# KiCad board thisoneinitiald.kicad_pcb
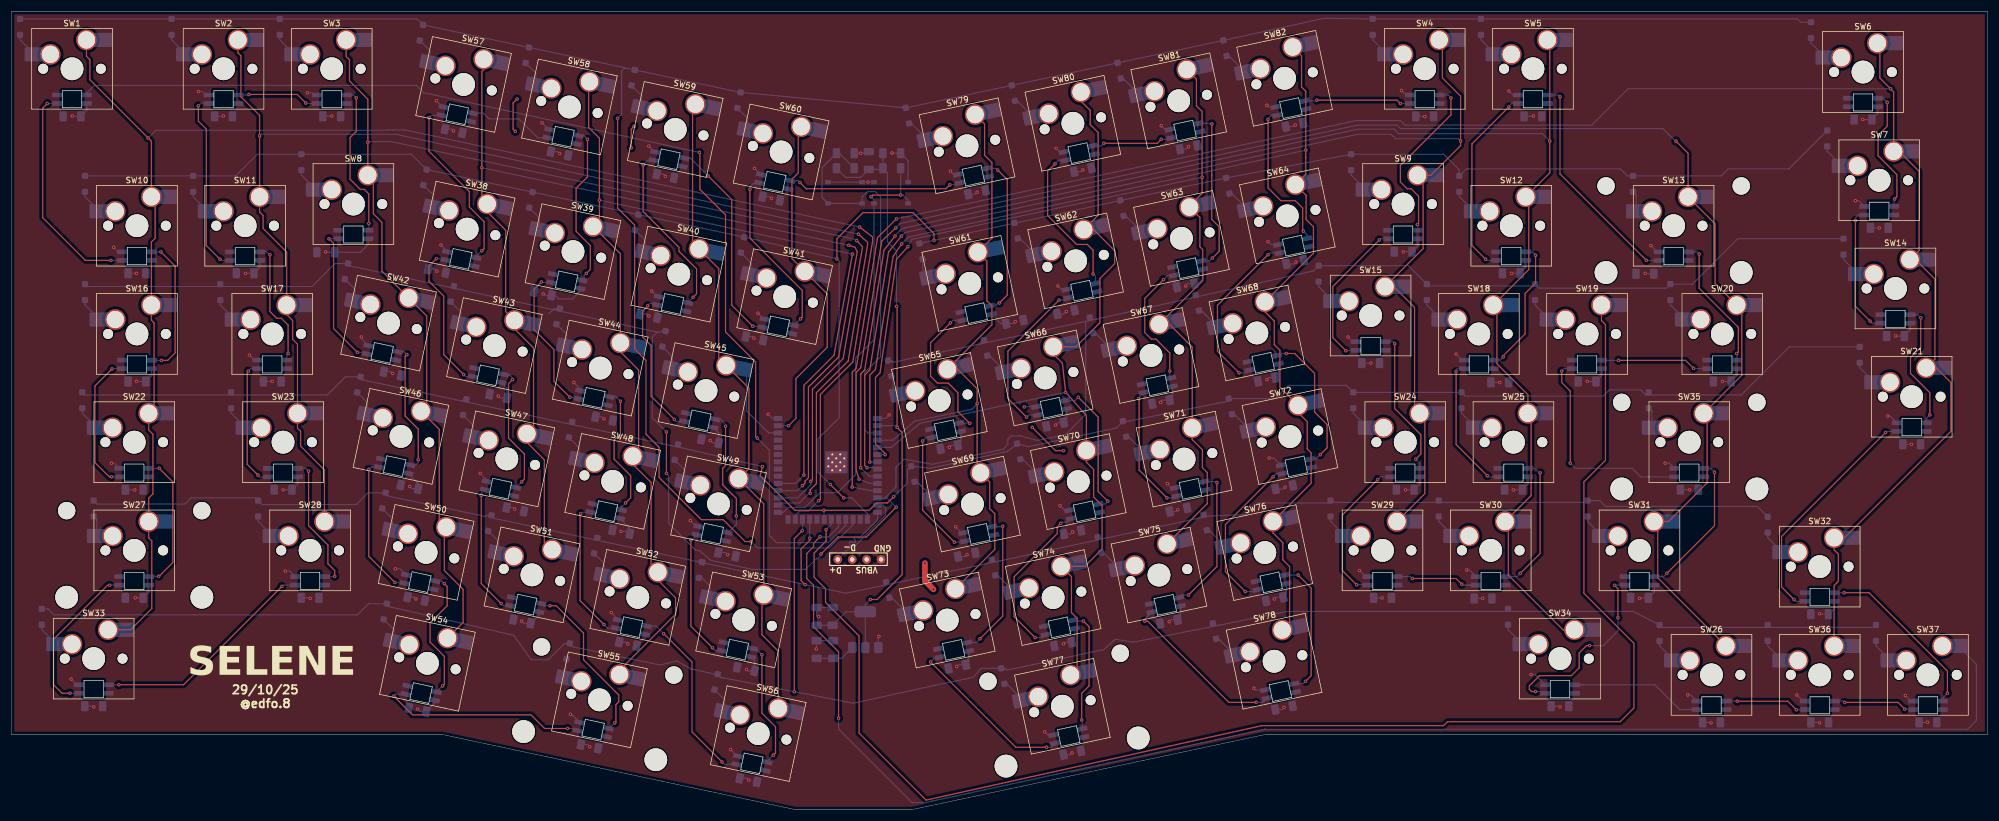
[diagram p0: board, top side]
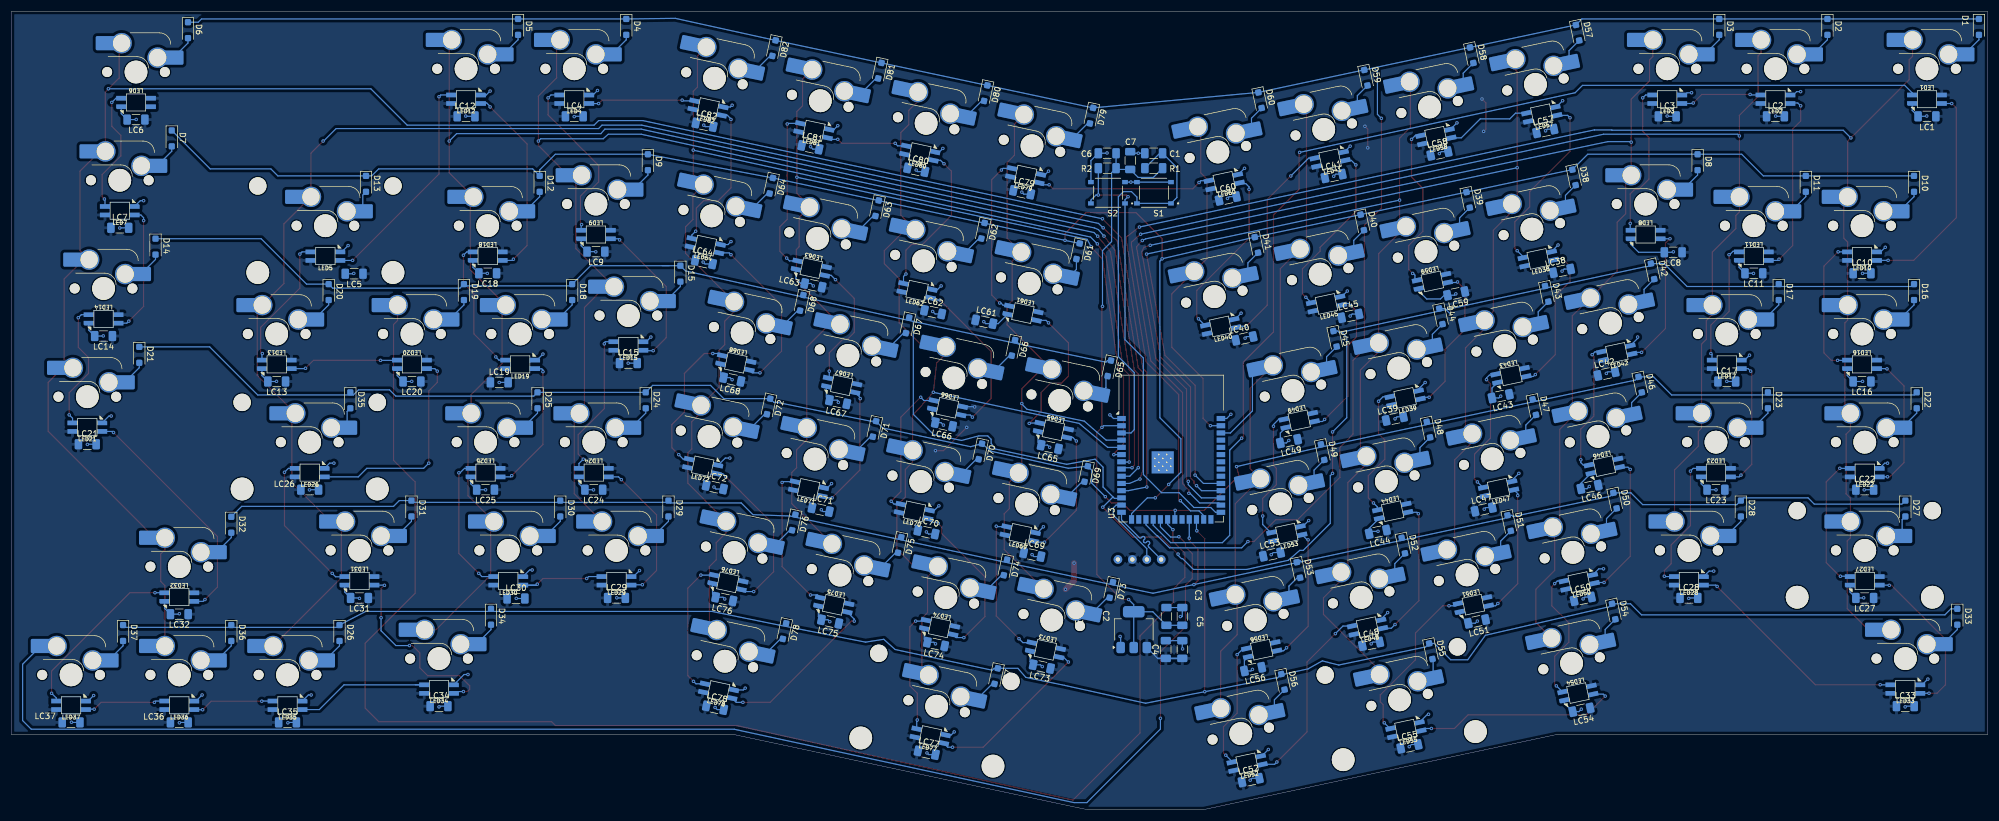
[diagram p1: board, bottom side, seen from below]

Outline 347.9 x 140.51 mm; copper layers: Top, Bottom. Coordinates in mm from the lower left corner of the outline.
Outline path: 0,13.21 0,140.51 347.9,140.51 347.9,13.21 220.66,13.21 158.5,0 138.03,0 75.88,13.21 0,13.21

## Placement (name value [footprint] x y rotation side)
C1  0.1uF  [C_1206_3216Metric_Pad1.33x1.80mm_HandSolder]  146.81 115.54 0 bottom
C2  0.1uF  [C_1206_3216Metric_Pad1.33x1.80mm_HandSolder]  144.57 34 90 bottom
C3  10uF  [C_1206_3216Metric_Pad1.33x1.80mm_HandSolder]  141.77 34 90 bottom
C4  0.1uF  [C_1206_3216Metric_Pad1.33x1.80mm_HandSolder]  144.67 28.19 90 bottom
C5  10uF  [C_1206_3216Metric_Pad1.33x1.80mm_HandSolder]  141.77 28.19 90 bottom
C6  0.1uF  [C_1206_3216Metric_Pad1.33x1.80mm_HandSolder]  154.99 115.54 0 bottom
C7  10uF  [C_1206_3216Metric_Pad1.33x1.80mm_HandSolder]  150.94 114.25 90 bottom
D1  D  [D_SOD-123F]  1.53 137.77 270 bottom
D2  D  [D_SOD-123F]  28.2 137.77 270 bottom
D3  D  [D_SOD-123F]  47.25 137.77 270 bottom
D4  D  [D_SOD-123F]  239.66 137.77 270 bottom
D5  D  [D_SOD-123F]  258.7 137.77 270 bottom
D6  D  [D_SOD-123F]  316.81 137.2 270 bottom
D7  D  [D_SOD-123F]  319.66 118.15 270 bottom
D8  D  [D_SOD-123F]  51.06 113.96 270 bottom
D9  D  [D_SOD-123F]  235.84 113.96 270 bottom
D10  D  [D_SOD-123F]  12.96 110.15 270 bottom
D11  D  [D_SOD-123F]  32.01 110.15 270 bottom
D12  D  [D_SOD-123F]  254.9 110.15 270 bottom
D13  D  [D_SOD-123F]  285.47 110.15 270 bottom
D14  D  [D_SOD-123F]  322.52 99.1 270 bottom
D15  D  [D_SOD-123F]  230.13 94.34 270 bottom
D16  D  [D_SOD-123F]  12.96 91.1 270 bottom
D17  D  [D_SOD-123F]  36.77 91.1 270 bottom
D18  D  [D_SOD-123F]  249.18 91.1 270 bottom
D19  D  [D_SOD-123F]  268.23 91.1 270 bottom
D20  D  [D_SOD-123F]  292.04 91.1 270 bottom
D21  D  [D_SOD-123F]  325.38 80.05 270 bottom
D22  D  [D_SOD-123F]  12.48 72.05 270 bottom
D23  D  [D_SOD-123F]  38.68 72.05 270 bottom
D24  D  [D_SOD-123F]  236.23 72.05 270 bottom
D25  D  [D_SOD-123F]  255.28 72.05 270 bottom
D26  D  [D_SOD-123F]  290.14 31.09 270 bottom
D27  D  [D_SOD-123F]  14.48 53 270 bottom
D28  D  [D_SOD-123F]  43.44 53 270 bottom
D29  D  [D_SOD-123F]  232.23 53 270 bottom
D30  D  [D_SOD-123F]  251.28 53 270 bottom
D31  D  [D_SOD-123F]  277.47 53 270 bottom
D32  D  [D_SOD-123F]  309.19 50.14 270 bottom
D33  D  [D_SOD-123F]  5.34 33.95 270 bottom
D34  D  [D_SOD-123F]  263.47 33.95 270 bottom
D35  D  [D_SOD-123F]  288.23 72.05 270 bottom
D36  D  [D_SOD-123F]  309.19 31.09 270 bottom
D37  D  [D_SOD-123F]  328.24 31.09 270 bottom
D38  D  [D_SOD-123F]  72.82 111.28 258 bottom
D39  D  [D_SOD-123F]  91.45 107.32 258 bottom
D40  D  [D_SOD-123F]  110.08 103.36 258 bottom
D41  D  [D_SOD-123F]  128.72 99.4 258 bottom
D42  D  [D_SOD-123F]  58.98 94.75 258 bottom
D43  D  [D_SOD-123F]  77.61 90.79 258 bottom
D44  D  [D_SOD-123F]  96.25 86.83 258 bottom
D45  D  [D_SOD-123F]  114.88 82.87 258 bottom
D46  D  [D_SOD-123F]  61.17 74.81 258 bottom
D47  D  [D_SOD-123F]  79.8 70.85 258 bottom
D48  D  [D_SOD-123F]  98.43 66.89 258 bottom
D49  D  [D_SOD-123F]  117.07 62.93 258 bottom
D50  D  [D_SOD-123F]  65.59 54.39 258 bottom
D51  D  [D_SOD-123F]  84.23 50.43 258 bottom
D52  D  [D_SOD-123F]  102.86 46.47 258 bottom
D53  D  [D_SOD-123F]  121.32 42.18 258 bottom
D54  D  [D_SOD-123F]  65.82 34.87 258 bottom
D55  D  [D_SOD-123F]  98.02 27.88 258 bottom
D56  D  [D_SOD-123F]  124.05 22.49 258 bottom
D57  D  [D_SOD-123F]  72.19 136.75 258 bottom
D58  D  [D_SOD-123F]  90.82 132.79 258 bottom
D59  D  [D_SOD-123F]  109.45 128.83 258 bottom
D60  D  [D_SOD-123F]  128.09 124.87 258 bottom
D61  D  [D_SOD-123F]  160.12 98.28 282 bottom
D62  D  [D_SOD-123F]  176.86 101.9 282 bottom
D63  D  [D_SOD-123F]  195.5 105.86 282 bottom
D64  D  [D_SOD-123F]  214.13 109.82 282 bottom
D65  D  [D_SOD-123F]  154.62 77.68 282 bottom
D66  D  [D_SOD-123F]  171.51 81.29 282 bottom
D67  D  [D_SOD-123F]  190.14 85.25 282 bottom
D68  D  [D_SOD-123F]  208.78 89.21 282 bottom
D69  D  [D_SOD-123F]  158.7 59.09 282 bottom
D70  D  [D_SOD-123F]  177.33 63.05 282 bottom
D71  D  [D_SOD-123F]  195.97 67.01 282 bottom
D72  D  [D_SOD-123F]  214.6 70.97 282 bottom
D73  D  [D_SOD-123F]  154.27 38.67 282 bottom
D74  D  [D_SOD-123F]  172.91 42.63 282 bottom
D75  D  [D_SOD-123F]  191.54 46.59 282 bottom
D76  D  [D_SOD-123F]  210.18 50.55 282 bottom
D77  D  [D_SOD-123F]  174.54 23.5 282 bottom
D78  D  [D_SOD-123F]  211.81 31.42 282 bottom
D79  D  [D_SOD-123F]  157.75 122.15 282 bottom
D80  D  [D_SOD-123F]  176.38 126.11 282 bottom
D81  D  [D_SOD-123F]  195.02 130.07 282 bottom
D82  D  [D_SOD-123F]  213.65 134.03 282 bottom
LC1  0.1uF  [C_1206_3216Metric_Pad1.33x1.80mm_HandSolder]  10.68 122.03 0 bottom
LC2  0.1uF  [C_1206_3216Metric_Pad1.33x1.80mm_HandSolder]  37.35 122.03 180 bottom
LC3  0.1uF  [C_1206_3216Metric_Pad1.33x1.80mm_HandSolder]  56.4 122.03 180 bottom
LC4  0.1uF  [C_1206_3216Metric_Pad1.33x1.80mm_HandSolder]  248.81 122.03 180 bottom
LC5  0.1uF  [C_1206_3216Metric_Pad1.33x1.80mm_HandSolder]  287.56 94.32 0 bottom
LC6  0.1uF  [C_1206_3216Metric_Pad1.33x1.80mm_HandSolder]  325.96 121.46 0 bottom
LC7  0.1uF  [C_1206_3216Metric_Pad1.33x1.80mm_HandSolder]  328.81 102.41 180 bottom
LC8  0.1uF  [C_1206_3216Metric_Pad1.33x1.80mm_HandSolder]  55.35 98.1 0 bottom
LC9  0.1uF  [C_1206_3216Metric_Pad1.33x1.80mm_HandSolder]  245 98.22 0 bottom
LC10  0.1uF  [C_1206_3216Metric_Pad1.33x1.80mm_HandSolder]  22.11 94.41 180 bottom
LC11  0.1uF  [C_1206_3216Metric_Pad1.33x1.80mm_HandSolder]  41.16 94.41 0 bottom
LC12  0.1uF  [C_1206_3216Metric_Pad1.33x1.80mm_HandSolder]  267.85 122.03 180 bottom
LC13  0.1uF  [C_1206_3216Metric_Pad1.33x1.80mm_HandSolder]  301.19 75.36 0 bottom
LC14  0.1uF  [C_1206_3216Metric_Pad1.33x1.80mm_HandSolder]  331.67 83.36 0 bottom
LC15  0.1uF  [C_1206_3216Metric_Pad1.33x1.80mm_HandSolder]  239.28 78.6 180 bottom
LC16  0.1uF  [C_1206_3216Metric_Pad1.33x1.80mm_HandSolder]  22.11 75.36 0 bottom
LC17  0.1uF  [C_1206_3216Metric_Pad1.33x1.80mm_HandSolder]  45.92 75.36 180 bottom
LC18  0.1uF  [C_1206_3216Metric_Pad1.33x1.80mm_HandSolder]  264.04 94.41 0 bottom
LC19  0.1uF  [C_1206_3216Metric_Pad1.33x1.80mm_HandSolder]  262.01 75.2 180 bottom
LC20  0.1uF  [C_1206_3216Metric_Pad1.33x1.80mm_HandSolder]  277.38 75.36 0 bottom
LC21  0.1uF  [C_1206_3216Metric_Pad1.33x1.80mm_HandSolder]  334.53 64.31 180 bottom
LC22  0.1uF  [C_1206_3216Metric_Pad1.33x1.80mm_HandSolder]  21.63 56.31 180 bottom
LC23  0.1uF  [C_1206_3216Metric_Pad1.33x1.80mm_HandSolder]  47.83 56.31 0 bottom
LC24  0.1uF  [C_1206_3216Metric_Pad1.33x1.80mm_HandSolder]  245.38 56.31 0 bottom
LC25  0.1uF  [C_1206_3216Metric_Pad1.33x1.80mm_HandSolder]  264.43 56.31 0 bottom
LC26  0.1uF  [C_1206_3216Metric_Pad1.33x1.80mm_HandSolder]  295.38 56.31 180 bottom
LC27  0.1uF  [C_1206_3216Metric_Pad1.33x1.80mm_HandSolder]  21.63 37.26 0 bottom
LC28  0.1uF  [C_1206_3216Metric_Pad1.33x1.80mm_HandSolder]  52.59 37.26 180 bottom
LC29  0.1uF  [C_1206_3216Metric_Pad1.33x1.80mm_HandSolder]  241.38 37.26 180 bottom
LC30  0.1uF  [C_1206_3216Metric_Pad1.33x1.80mm_HandSolder]  259.07 37.16 180 bottom
LC31  0.1uF  [C_1206_3216Metric_Pad1.33x1.80mm_HandSolder]  286.62 37.26 0 bottom
LC32  0.1uF  [C_1206_3216Metric_Pad1.33x1.80mm_HandSolder]  318.34 34.4 0 bottom
LC33  0.1uF  [C_1206_3216Metric_Pad1.33x1.80mm_HandSolder]  14.49 18.21 180 bottom
LC34  0.1uF  [C_1206_3216Metric_Pad1.33x1.80mm_HandSolder]  272.62 18.21 180 bottom
LC35  0.1uF  [C_1206_3216Metric_Pad1.33x1.80mm_HandSolder]  299.29 15.35 180 bottom
LC36  0.1uF  [C_1206_3216Metric_Pad1.33x1.80mm_HandSolder]  318.34 15.35 180 bottom
LC37  0.1uF  [C_1206_3216Metric_Pad1.33x1.80mm_HandSolder]  337.39 15.35 180 bottom
LC38  0.1uF  [C_1206_3216Metric_Pad1.33x1.80mm_HandSolder]  74.92 94.83 168 bottom
LC39  0.1uF  [C_1206_3216Metric_Pad1.33x1.80mm_HandSolder]  104.36 68.83 168 bottom
LC40  0.1uF  [C_1206_3216Metric_Pad1.33x1.80mm_HandSolder]  130.83 82.95 168 bottom
LC41  0.1uF  [C_1206_3216Metric_Pad1.33x1.80mm_HandSolder]  115.13 111.54 168 bottom
LC42  0.1uF  [C_1206_3216Metric_Pad1.33x1.80mm_HandSolder]  67.09 76.75 168 bottom
LC43  0.1uF  [C_1206_3216Metric_Pad1.33x1.80mm_HandSolder]  85.72 72.79 348 bottom
LC44  0.1uF  [C_1206_3216Metric_Pad1.33x1.80mm_HandSolder]  107.35 48.89 348 bottom
LC45  0.1uF  [C_1206_3216Metric_Pad1.33x1.80mm_HandSolder]  112.19 86.91 168 bottom
LC46  0.1uF  [C_1206_3216Metric_Pad1.33x1.80mm_HandSolder]  70.08 56.81 348 bottom
LC47  0.1uF  [C_1206_3216Metric_Pad1.33x1.80mm_HandSolder]  88.71 52.85 168 bottom
LC48  0.1uF  [C_1206_3216Metric_Pad1.33x1.80mm_HandSolder]  108.54 29.18 168 bottom
LC49  0.1uF  [C_1206_3216Metric_Pad1.33x1.80mm_HandSolder]  122.99 64.86 348 bottom
LC50  0.1uF  [C_1206_3216Metric_Pad1.33x1.80mm_HandSolder]  71.27 37.1 168 bottom
LC51  0.1uF  [C_1206_3216Metric_Pad1.33x1.80mm_HandSolder]  89.9 33.14 348 bottom
LC52  0.1uF  [C_1206_3216Metric_Pad1.33x1.80mm_HandSolder]  129.73 5.2 168 bottom
LC53  0.1uF  [C_1206_3216Metric_Pad1.33x1.80mm_HandSolder]  125.98 44.93 168 bottom
LC54  0.1uF  [C_1206_3216Metric_Pad1.33x1.80mm_HandSolder]  71.5 17.57 348 bottom
LC55  0.1uF  [C_1206_3216Metric_Pad1.33x1.80mm_HandSolder]  101.78 11.14 168 bottom
LC56  0.1uF  [C_1206_3216Metric_Pad1.33x1.80mm_HandSolder]  129.31 24.73 348 bottom
LC57  0.1uF  [C_1206_3216Metric_Pad1.33x1.80mm_HandSolder]  77.86 119.46 168 bottom
LC58  0.1uF  [C_1206_3216Metric_Pad1.33x1.80mm_HandSolder]  96.5 115.5 168 bottom
LC59  0.1uF  [C_1206_3216Metric_Pad1.33x1.80mm_HandSolder]  93.56 90.87 348 bottom
LC60  0.1uF  [C_1206_3216Metric_Pad1.33x1.80mm_HandSolder]  133.76 107.57 168 bottom
LC61  0.1uF  [C_1206_3216Metric_Pad1.33x1.80mm_HandSolder]  176.63 85.86 192 bottom
LC62  0.1uF  [C_1206_3216Metric_Pad1.33x1.80mm_HandSolder]  185.64 87.57 192 bottom
LC63  0.1uF  [C_1206_3216Metric_Pad1.33x1.80mm_HandSolder]  206.71 92.29 12 bottom
LC64  0.1uF  [C_1206_3216Metric_Pad1.33x1.80mm_HandSolder]  225.98 96.37 192 bottom
LC65  0.1uF  [C_1206_3216Metric_Pad1.33x1.80mm_HandSolder]  165.1 63.83 12 bottom
LC66  0.1uF  [C_1206_3216Metric_Pad1.33x1.80mm_HandSolder]  183.73 67.79 12 bottom
LC67  0.1uF  [C_1206_3216Metric_Pad1.33x1.80mm_HandSolder]  202.36 71.75 12 bottom
LC68  0.1uF  [C_1206_3216Metric_Pad1.33x1.80mm_HandSolder]  221 75.72 12 bottom
LC69  0.1uF  [C_1206_3216Metric_Pad1.33x1.80mm_HandSolder]  168.17 44.87 192 bottom
LC70  0.1uF  [C_1206_3216Metric_Pad1.33x1.80mm_HandSolder]  186.8 48.83 192 bottom
LC71  0.1uF  [C_1206_3216Metric_Pad1.33x1.80mm_HandSolder]  205.44 52.79 192 bottom
LC72  0.1uF  [C_1206_3216Metric_Pad1.33x1.80mm_HandSolder]  224.07 56.75 192 bottom
LC73  0.1uF  [C_1206_3216Metric_Pad1.33x1.80mm_HandSolder]  166.5 25.18 12 bottom
LC74  0.1uF  [C_1206_3216Metric_Pad1.33x1.80mm_HandSolder]  185.13 29.14 12 bottom
LC75  0.1uF  [C_1206_3216Metric_Pad1.33x1.80mm_HandSolder]  203.76 33.1 12 bottom
LC76  0.1uF  [C_1206_3216Metric_Pad1.33x1.80mm_HandSolder]  222.4 37.06 12 bottom
LC77  0.1uF  [C_1206_3216Metric_Pad1.33x1.80mm_HandSolder]  186.76 10.01 192 bottom
LC78  0.1uF  [C_1206_3216Metric_Pad1.33x1.80mm_HandSolder]  224.03 17.93 192 bottom
LC79  0.1uF  [C_1206_3216Metric_Pad1.33x1.80mm_HandSolder]  169.97 108.66 192 bottom
LC80  0.1uF  [C_1206_3216Metric_Pad1.33x1.80mm_HandSolder]  188.61 112.62 192 bottom
LC81  0.1uF  [C_1206_3216Metric_Pad1.33x1.80mm_HandSolder]  207.24 116.58 192 bottom
LC82  0.1uF  [C_1206_3216Metric_Pad1.33x1.80mm_HandSolder]  225.87 120.54 192 bottom
LED1  SK6812MINI  [SK6812MINI-E]  10.68 125.04 0 bottom
LED2  SK6812MINI  [SK6812MINI-E]  37.35 125.04 180 bottom
LED3  SK6812MINI  [SK6812MINI-E]  56.4 125.04 180 bottom
LED4  SK6812MINI  [SK6812MINI-E]  248.81 125.04 180 bottom
LED5  SK6812MINI  [SK6812MINI-E]  292.62 97.42 180 bottom
LED6  SK6812MINI  [SK6812MINI-E]  325.96 124.47 0 bottom
LED7  SK6812MINI  [SK6812MINI-E]  328.81 105.42 180 bottom
LED8  SK6812MINI  [SK6812MINI-E]  60.21 101.23 0 bottom
LED9  SK6812MINI  [SK6812MINI-E]  245 101.23 0 bottom
LED10  SK6812MINI  [SK6812MINI-E]  22.11 97.42 180 bottom
LED11  SK6812MINI  [SK6812MINI-E]  41.16 97.42 0 bottom
LED12  SK6812MINI  [SK6812MINI-E]  267.85 125.04 180 bottom
LED13  SK6812MINI  [SK6812MINI-E]  301.19 78.37 0 bottom
LED14  SK6812MINI  [SK6812MINI-E]  331.67 86.37 0 bottom
LED15  SK6812MINI  [SK6812MINI-E]  239.28 81.61 180 bottom
LED16  SK6812MINI  [SK6812MINI-E]  22.11 78.37 0 bottom
LED17  SK6812MINI  [SK6812MINI-E]  45.92 78.37 180 bottom
LED18  SK6812MINI  [SK6812MINI-E]  264.04 97.42 0 bottom
LED19  SK6812MINI  [SK6812MINI-E]  258.33 78.37 180 bottom
LED20  SK6812MINI  [SK6812MINI-E]  277.38 78.37 0 bottom
LED21  SK6812MINI  [SK6812MINI-E]  334.53 67.32 180 bottom
LED22  SK6812MINI  [SK6812MINI-E]  21.63 59.32 180 bottom
LED23  SK6812MINI  [SK6812MINI-E]  47.83 59.32 0 bottom
LED24  SK6812MINI  [SK6812MINI-E]  245.38 59.32 0 bottom
LED25  SK6812MINI  [SK6812MINI-E]  264.43 59.32 0 bottom
LED26  SK6812MINI  [SK6812MINI-E]  295.38 59.32 180 bottom
LED27  SK6812MINI  [SK6812MINI-E]  21.63 40.27 0 bottom
LED28  SK6812MINI  [SK6812MINI-E]  52.59 40.27 180 bottom
LED29  SK6812MINI  [SK6812MINI-E]  241.38 40.27 180 bottom
LED30  SK6812MINI  [SK6812MINI-E]  260.43 40.27 180 bottom
LED31  SK6812MINI  [SK6812MINI-E]  286.62 40.27 0 bottom
LED32  SK6812MINI  [SK6812MINI-E]  318.34 37.41 0 bottom
LED33  SK6812MINI  [SK6812MINI-E]  14.49 21.22 180 bottom
LED34  SK6812MINI  [SK6812MINI-E]  272.62 21.22 180 bottom
LED35  SK6812MINI  [SK6812MINI-E]  299.29 18.36 180 bottom
LED36  SK6812MINI  [SK6812MINI-E]  318.34 18.36 180 bottom
LED37  SK6812MINI  [SK6812MINI-E]  337.39 18.36 180 bottom
LED38  SK6812MINI  [SK6812MINI-E]  79.12 96.93 168 bottom
LED39  SK6812MINI  [SK6812MINI-E]  102.55 72.48 168 bottom
LED40  SK6812MINI  [SK6812MINI-E]  135.02 85.05 168 bottom
LED41  SK6812MINI  [SK6812MINI-E]  115.76 114.48 168 bottom
LED42  SK6812MINI  [SK6812MINI-E]  65.28 80.39 168 bottom
LED43  SK6812MINI  [SK6812MINI-E]  83.92 76.44 348 bottom
LED44  SK6812MINI  [SK6812MINI-E]  104.74 52.53 348 bottom
LED45  45  [SK6812MINI-E]  116.39 89.01 168 bottom
LED46  SK6812MINI  [SK6812MINI-E]  67.47 60.46 348 bottom
LED47  SK6812MINI  [SK6812MINI-E]  86.1 56.49 168 bottom
LED48  SK6812MINI  [SK6812MINI-E]  109.16 32.12 168 bottom
LED49  SK6812MINI  [SK6812MINI-E]  121.18 68.52 348 bottom
LED50  SK6812MINI  [SK6812MINI-E]  71.9 40.04 168 bottom
LED51  SK6812MINI  [SK6812MINI-E]  90.53 36.08 348 bottom
LED52  SK6812MINI  [SK6812MINI-E]  130.36 8.14 168 bottom
LED53  SK6812MINI  [SK6812MINI-E]  123.37 48.57 168 bottom
LED54  SK6812MINI  [SK6812MINI-E]  72.13 20.52 348 bottom
LED55  SK6812MINI  [SK6812MINI-E]  102.41 14.08 168 bottom
LED56  SK6812MINI  [SK6812MINI-E]  127.8 28.16 348 bottom
LED57  SK6812MINI  [SK6812MINI-E]  78.49 122.4 168 bottom
LED58  SK6812MINI  [SK6812MINI-E]  97.12 118.44 168 bottom
LED59  SK6812MINI  [SK6812MINI-E]  97.75 92.97 348 bottom
LED60  SK6812MINI  [SK6812MINI-E]  134.39 110.51 168 bottom
LED61  SK6812MINI  [SK6812MINI-E]  169.83 87.39 12 bottom
LED62  SK6812MINI  [SK6812MINI-E]  188.46 91.35 192 bottom
LED63  SK6812MINI  [SK6812MINI-E]  207.09 95.31 12 bottom
LED64  SK6812MINI  [SK6812MINI-E]  225.73 99.27 192 bottom
LED65  SK6812MINI  [SK6812MINI-E]  164.47 66.78 12 bottom
LED66  SK6812MINI  [SK6812MINI-E]  183.1 70.74 12 bottom
LED67  SK6812MINI  [SK6812MINI-E]  201.74 74.7 12 bottom
LED68  SK6812MINI  [SK6812MINI-E]  220.37 78.66 12 bottom
LED69  SK6812MINI  [SK6812MINI-E]  170.29 48.54 192 bottom
LED70  SK6812MINI  [SK6812MINI-E]  188.93 52.5 192 bottom
LED71  SK6812MINI  [SK6812MINI-E]  207.56 56.46 192 bottom
LED72  SK6812MINI  [SK6812MINI-E]  226.2 60.42 192 bottom
LED73  SK6812MINI  [SK6812MINI-E]  165.87 28.12 12 bottom
LED74  SK6812MINI  [SK6812MINI-E]  184.5 32.08 12 bottom
LED75  SK6812MINI  [SK6812MINI-E]  203.14 36.05 12 bottom
LED76  SK6812MINI  [SK6812MINI-E]  221.77 40.01 12 bottom
LED77  SK6812MINI  [SK6812MINI-E]  186.14 12.95 192 bottom
LED78  SK6812MINI  [SK6812MINI-E]  223.4 20.88 192 bottom
LED79  SK6812MINI  [SK6812MINI-E]  169.35 111.61 192 bottom
LED80  SK6812MINI  [SK6812MINI-E]  187.98 115.56 192 bottom
LED81  SK6812MINI  [SK6812MINI-E]  206.61 119.53 192 bottom
LED82  SK6812MINI  [SK6812MINI-E]  225.25 123.49 192 bottom
R1  4.7k  [C_1206_3216Metric_Pad1.33x1.80mm_HandSolder]  146.8 112.91 0 bottom
R2  4.7k  [C_1206_3216Metric_Pad1.33x1.80mm_HandSolder]  154.99 112.91 0 bottom
S1  TACT1  [SW_TS-1187A-B-A-B]  146.76 108.58 0 bottom
S2  TACT2  [SW_TS-1187A-B-A-B]  154.86 108.58 0 bottom
SW1  SW_Push  [SW_Hotswap_Kailh_MX_Plated_1.00u]  13.22 135.48 0 top
SW2  SW_Push  [SW_Hotswap_Kailh_MX_Plated_1.00u]  39.89 135.48 0 top
SW3  SW_Push  [SW_Hotswap_Kailh_MX_Plated_1.00u]  58.94 135.48 0 top
SW4  SW_Push  [SW_Hotswap_Kailh_MX_Plated_1.00u]  251.34 135.48 0 top
SW5  SW_Push  [SW_Hotswap_Kailh_MX_Plated_1.00u]  270.39 135.48 0 top
SW6  SW_Push  [SW_Hotswap_Kailh_MX_Plated_1.00u]  328.5 134.91 0 top
SW7  SW_Push  [SW_Hotswap_Kailh_MX_Plated_1.00u]  331.35 115.86 0 top
SW8  SW_Push  [SW_Hotswap_Kailh_MX_Plated_1.00u]  62.75 111.67 0 top
SW9  SW_Push  [SW_Hotswap_Kailh_MX_Plated_1.00u]  247.53 111.67 0 top
SW10  SW_Push  [SW_Hotswap_Kailh_MX_Plated_1.00u]  24.65 107.86 0 top
SW11  SW_Push  [SW_Hotswap_Kailh_MX_Plated_1.00u]  43.7 107.86 0 top
SW12  SW_Push  [SW_Hotswap_Kailh_MX_Plated_1.00u]  266.58 107.86 0 top
SW13  SW_Push  [SW_Hotswap_Kailh_MX_Plated_2.00u]  295.16 107.86 0 top
SW14  SW_Push  [SW_Hotswap_Kailh_MX_Plated_1.00u]  334.21 96.81 0 top
SW15  SW_Push  [SW_Hotswap_Kailh_MX_Plated_1.00u]  241.82 92.05 0 top
SW16  SW_Push  [SW_Hotswap_Kailh_MX_Plated_1.50u]  24.65 88.81 0 top
SW17  SW_Push  [SW_Hotswap_Kailh_MX_Plated_1.00u]  48.46 88.81 0 top
SW18  SW_Push  [SW_Hotswap_Kailh_MX_Plated_1.00u]  260.87 88.81 0 top
SW19  SW_Push  [SW_Hotswap_Kailh_MX_Plated_1.00u]  279.92 88.81 0 top
SW20  SW_Push  [SW_Hotswap_Kailh_MX_Plated_1.50u]  303.73 88.81 0 top
SW21  SW_Push  [SW_Hotswap_Kailh_MX_Plated_1.00u]  337.07 77.76 0 top
SW22  SW_Push  [SW_Hotswap_Kailh_MX_Plated_1.75u]  24.17 69.76 0 top
SW23  SW_Push  [SW_Hotswap_Kailh_MX_Plated_1.00u]  50.37 69.76 0 top
SW24  SW_Push  [SW_Hotswap_Kailh_MX_Plated_1.00u]  247.92 69.76 0 top
SW25  SW_Push  [SW_Hotswap_Kailh_MX_Plated_1.00u]  266.97 69.76 0 top
SW26  SW_Push  [SW_Hotswap_Kailh_MX_Plated_1.00u]  301.83 28.8 0 top
SW27  SW_Push  [SW_Hotswap_Kailh_MX_Plated_2.25u]  24.17 50.71 0 top
SW28  SW_Push  [SW_Hotswap_Kailh_MX_Plated_1.00u]  55.13 50.71 0 top
SW29  SW_Push  [SW_Hotswap_Kailh_MX_Plated_1.00u]  243.92 50.71 0 top
SW30  SW_Push  [SW_Hotswap_Kailh_MX_Plated_1.00u]  262.97 50.71 0 top
SW31  SW_Push  [SW_Hotswap_Kailh_MX_Plated_1.75u]  289.16 50.71 0 top
SW32  SW_Push  [SW_Hotswap_Kailh_MX_Plated_1.00u]  320.88 47.85 0 top
SW33  SW_Push  [SW_Hotswap_Kailh_MX_Plated_1.50u]  17.03 31.66 0 top
SW34  SW_Push  [SW_Hotswap_Kailh_MX_Plated_1.50u]  275.16 31.66 0 top
SW35  SW_Push  [SW_Hotswap_Kailh_MX_Plated_2.25u]  297.92 69.76 0 top
SW36  SW_Push  [SW_Hotswap_Kailh_MX_Plated_1.00u]  320.88 28.8 0 top
SW37  SW_Push  [SW_Hotswap_Kailh_MX_Plated_1.00u]  339.93 28.8 0 top
SW38  SW_Push  [SW_Hotswap_Kailh_MX_Plated_1.00u]  83.77 106.62 348 top
SW39  SW_Push  [SW_Hotswap_Kailh_MX_Plated_1.00u]  102.41 102.66 348 top
SW40  SW_Push  [SW_Hotswap_Kailh_MX_Plated_1.00u]  121.04 98.7 348 top
SW41  SW_Push  [SW_Hotswap_Kailh_MX_Plated_1.00u]  139.68 94.73 348 top
SW42  SW_Push  [SW_Hotswap_Kailh_MX_Plated_1.00u]  69.94 90.08 348 top
SW43  SW_Push  [SW_Hotswap_Kailh_MX_Plated_1.00u]  88.57 86.12 348 top
SW44  SW_Push  [SW_Hotswap_Kailh_MX_Plated_1.00u]  107.21 82.16 348 top
SW45  SW_Push  [SW_Hotswap_Kailh_MX_Plated_1.00u]  125.83 78.2 348 top
SW46  SW_Push  [SW_Hotswap_Kailh_MX_Plated_1.00u]  72.13 70.14 348 top
SW47  SW_Push  [SW_Hotswap_Kailh_MX_Plated_1.00u]  90.76 66.18 348 top
SW48  SW_Push  [SW_Hotswap_Kailh_MX_Plated_1.00u]  109.39 62.22 348 top
SW49  SW_Push  [SW_Hotswap_Kailh_MX_Plated_1.00u]  128.03 58.26 348 top
SW50  SW_Push  [SW_Hotswap_Kailh_MX_Plated_1.00u]  76.55 49.73 348 top
SW51  SW_Push  [SW_Hotswap_Kailh_MX_Plated_1.00u]  95.18 45.76 348 top
SW52  SW_Push  [SW_Hotswap_Kailh_MX_Plated_1.00u]  113.82 41.8 348 top
SW53  SW_Push  [SW_Hotswap_Kailh_MX_Plated_1.00u]  132.45 37.84 348 top
SW54  SW_Push  [SW_Hotswap_Kailh_MX_Plated_1.25u]  76.78 30.2 348 top
SW55  SW_Push  [SW_Hotswap_Kailh_MX_Plated_2.00u]  107.06 23.76 348 top
SW56  SW_Push  [SW_Hotswap_Kailh_MX_Plated_1.00u]  135.01 17.82 348 top
SW57  SW_Push  [SW_Hotswap_Kailh_MX_Plated_1.00u]  83.14 132.09 348 top
SW58  SW_Push  [SW_Hotswap_Kailh_MX_Plated_1.00u]  101.78 128.12 348 top
SW59  SW_Push  [SW_Hotswap_Kailh_MX_Plated_1.00u]  120.41 124.16 348 top
SW60  SW_Push  [SW_Hotswap_Kailh_MX_Plated_1.00u]  139.05 120.2 348 top
SW61  SW_Push  [SW_Hotswap_Kailh_MX_Plated_1.00u]  170.14 98.13 12 top
SW62  SW_Push  [SW_Hotswap_Kailh_MX_Plated_1.00u]  188.77 102.09 12 top
SW63  SW_Push  [SW_Hotswap_Kailh_MX_Plated_1.00u]  207.41 106.05 12 top
SW64  SW_Push  [SW_Hotswap_Kailh_MX_Plated_1.00u]  226.04 110.01 12 top
SW65  SW_Push  [SW_Hotswap_Kailh_MX_Plated_1.00u]  164.78 77.52 12 top
SW66  SW_Push  [SW_Hotswap_Kailh_MX_Plated_1.00u]  183.42 81.48 12 top
SW67  SW_Push  [SW_Hotswap_Kailh_MX_Plated_1.00u]  202.05 85.44 12 top
SW68  SW_Push  [SW_Hotswap_Kailh_MX_Plated_1.00u]  220.69 89.4 12 top
SW69  SW_Push  [SW_Hotswap_Kailh_MX_Plated_1.00u]  170.61 59.28 12 top
SW70  SW_Push  [SW_Hotswap_Kailh_MX_Plated_1.00u]  189.24 63.24 12 top
SW71  SW_Push  [SW_Hotswap_Kailh_MX_Plated_1.00u]  207.88 67.2 12 top
SW72  SW_Push  [SW_Hotswap_Kailh_MX_Plated_1.00u]  226.51 71.16 12 top
SW73  SW_Push  [SW_Hotswap_Kailh_MX_Plated_1.00u]  166.18 38.86 12 top
SW74  SW_Push  [SW_Hotswap_Kailh_MX_Plated_1.00u]  184.82 42.82 12 top
SW75  SW_Push  [SW_Hotswap_Kailh_MX_Plated_1.00u]  203.45 46.79 12 top
SW76  SW_Push  [SW_Hotswap_Kailh_MX_Plated_1.00u]  222.09 50.75 12 top
SW77  SW_Push  [SW_Hotswap_Kailh_MX_Plated_2.75u]  186.45 23.7 12 top
SW78  SW_Push  [SW_Hotswap_Kailh_MX_Plated_1.25u]  223.72 31.62 12 top
SW79  SW_Push  [SW_Hotswap_Kailh_MX_Plated_1.00u]  169.66 122.35 12 top